# KiCad board OLD_PCB.kicad_pcb (continued)
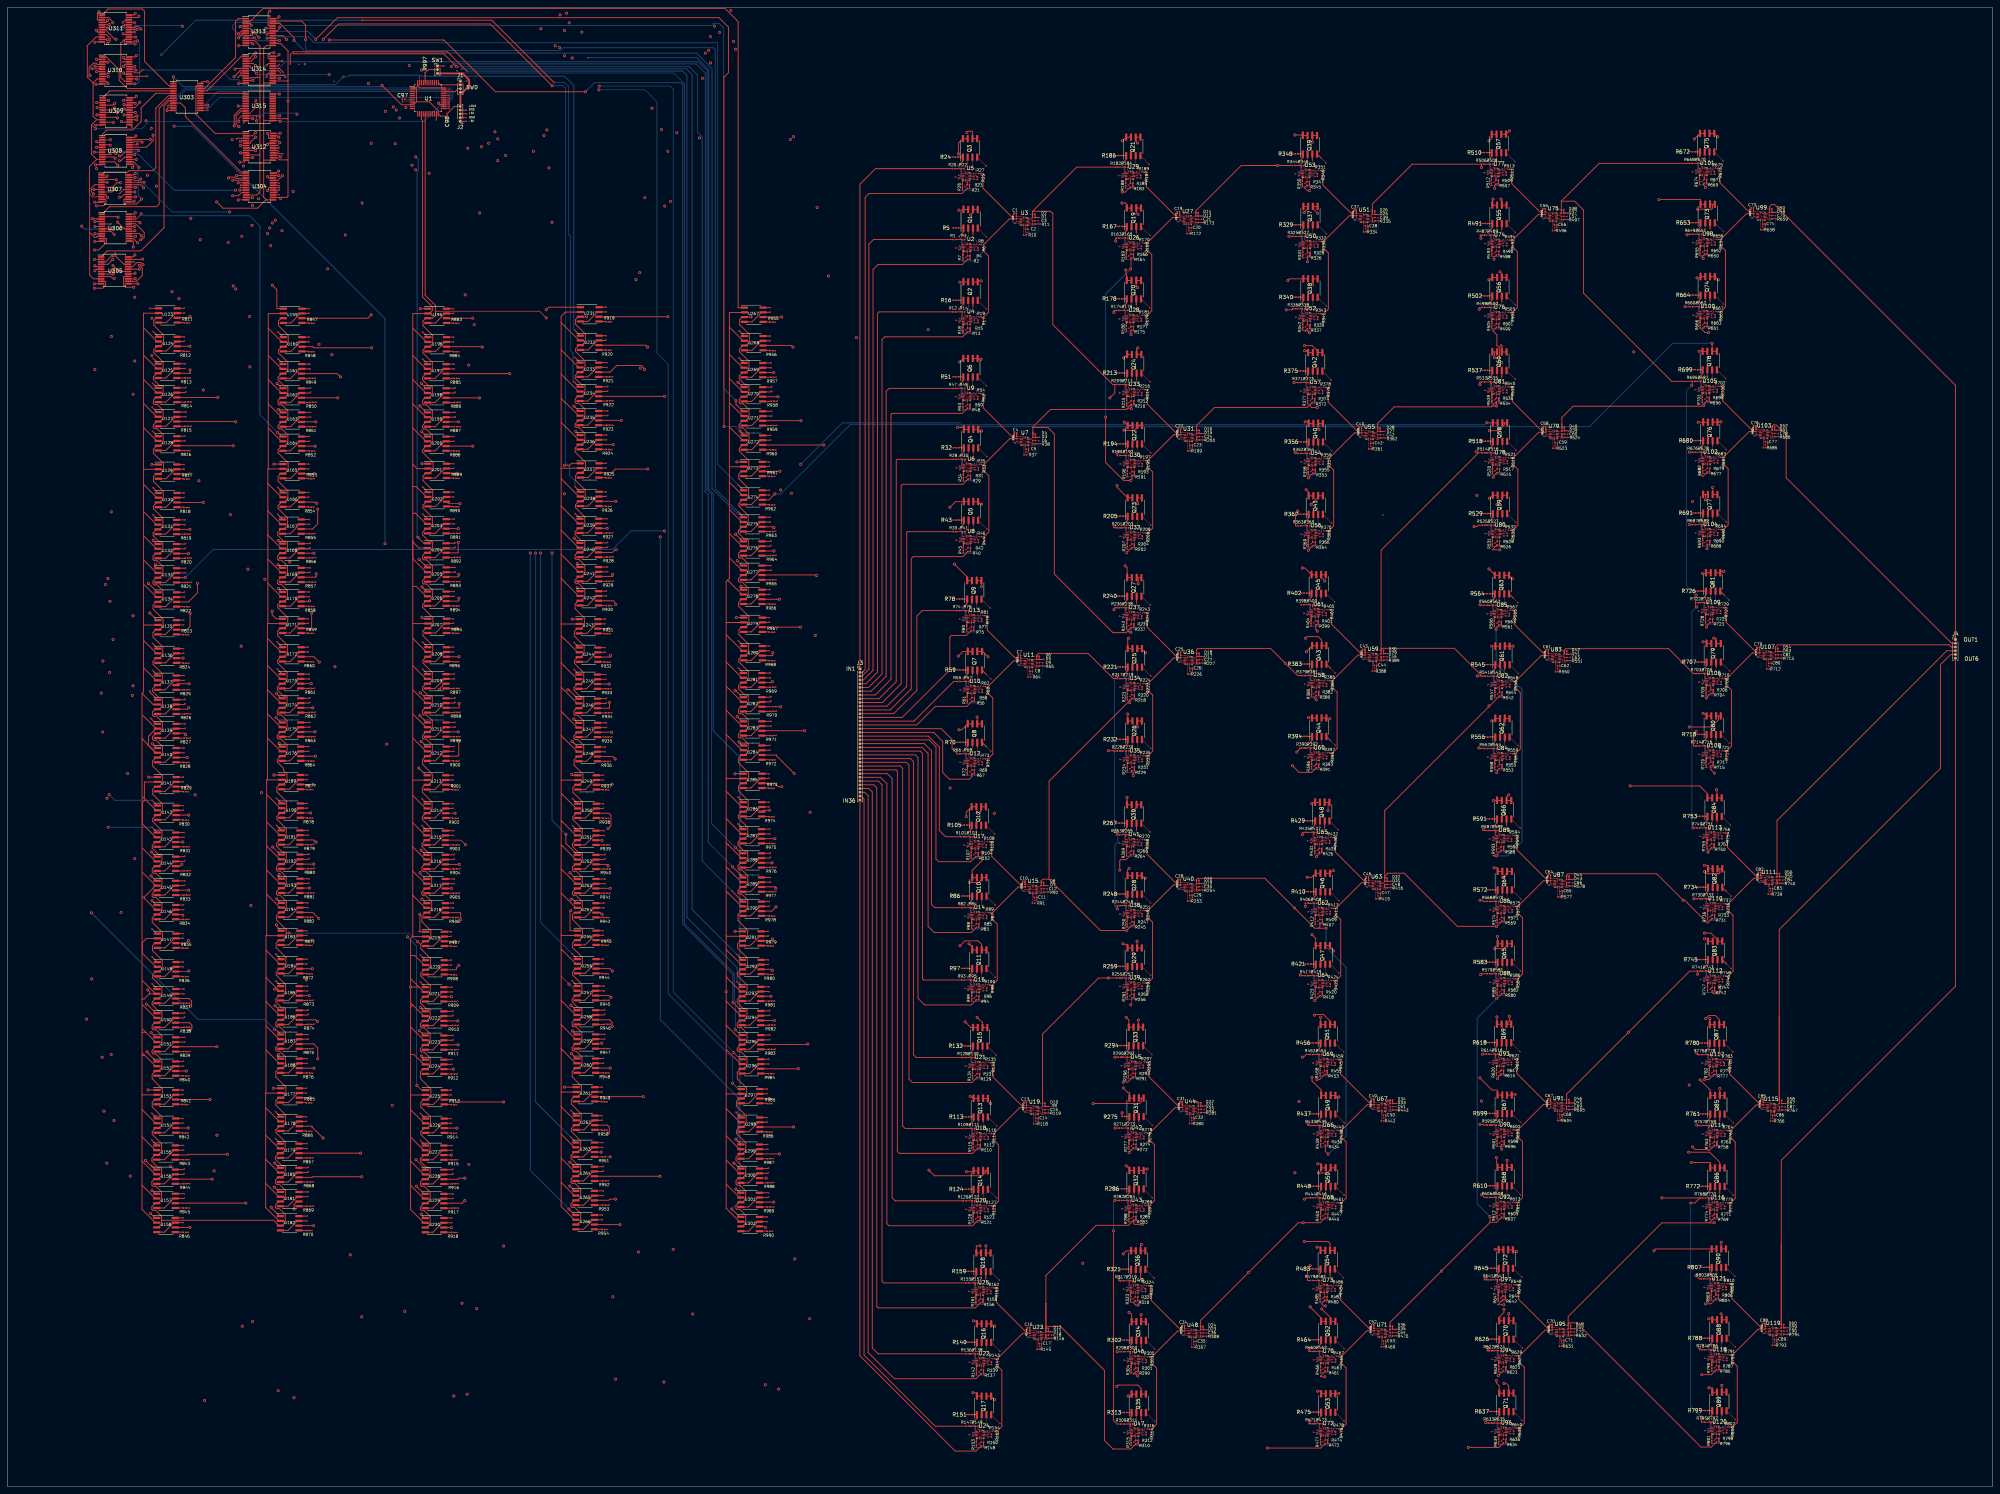
[diagram p0: board, top side]
## Routing (per net, layer and track width the routed paths; a pad name or vN(x,y) marks a point on that pad's centre or on a via; arc(x,y) is an arc through that point) (continued)
/W515: length 288.3
  Top w0.25: v2(211.87,284.65) 201.66,284.65 U271.6 ; Q74.8 452.04,324.09 452.04,324.09 Q74.8 ; Q74.8 452.05,323.1 ; 452.05,323.1 453.3,323.1 Q74.7 ; 452.05,323.1 452.02,323.1 451.74,322.82 v2(451.1,322.82)
  In1.Cu w0.25: v2(211.87,284.65) 219.18,291.97 v2(219.18,323.26)
  In2.Cu w0.25: v2(451.1,322.82) 450.66,323.26 v2(219.18,323.26)
/W516: length 289.6
  Top w0.25: Q74.6 454.58,324.07 454.58,324.07 Q74.6 ; Q74.6 454.59,323.1 455.84,323.1 Q74.5 456.71,322.25 v2(456.79,322.25) ; U272.6 201.64,278.15 v2(217.97,278.15)
  In1.Cu w0.25: v2(226.69,306.83) 226.69,286.87 v2(217.97,278.15)
  In2.Cu w0.25: v2(226.69,306.83) 302.42,306.83 309,313.41 347.14,313.41 355.31,321.58 456.12,321.58 v2(456.79,322.25)
/W521: length 265.6
  Top w0.25: v2(206.21,271.13) 204.93,271.13 204.91,271.12 U273.6 ; 452.61,303.16 453.85,303.16 453.86,303.18 ; 452.61,303.16 452.59,303.18 ; 452.61,303.16 v2(451.68,303.16)
  In2.Cu w0.25: v2(206.21,271.13) 206.36,271.28 229.99,271.28 233.21,274.5 256.34,274.5 264.71,282.87 299.54,282.87 302.77,286.11 434.62,286.11 v2(451.68,303.16)
/W522: length 274.8
  Top w0.25: v2(204.9,265.1) 203.31,263.51 U274.6 ; 456.4,303.18 456.39,303.16 455.15,303.16 455.13,303.18 455.13,305.27 v2(455.1,305.3)
  Bottom w0.25: v2(204.9,265.1) 206.5,265.1 225.01,283.61 253.94,283.61 254.5,283.05 422.35,283.05 444.6,305.3 v2(455.1,305.3)
/W523: length 278.4
  Top w0.25: 452.74,284.24 452.74,285.21 Q76.8 452.76,284.23 ; 452.76,284.23 454,284.23 Q76.7 ; 452.76,284.23 v2(451.42,284.23) ; U275.6 204.37,256.32 v2(204.62,256.06)
  In1.Cu w0.25: v2(449.93,263.05) 449.93,276.34 451.42,277.83 v2(451.42,284.23)
  In2.Cu w0.25: v2(449.93,263.05) 303.18,263.05 302.49,263.74 212.3,263.74 v2(204.62,256.06)
/W524: length 283.3
  Top w0.25: v2(457.49,284.33) 456.65,284.33 Q76.5 456.54,284.23 455.3,284.23 Q76.6 455.28,285.19 455.28,284.24 ; v2(204.65,249.85) 201.45,249.85 201.44,249.87 201.43,249.87
  In1.Cu w0.25: v2(204.65,249.85) 206.43,251.63 v2(206.43,266.16)
  In2.Cu w0.25: v2(457.49,284.33) 454.92,281.76 449.98,281.76 435.44,267.22 341.49,267.22 340.42,266.16 256.35,266.16 256.06,266.45 206.73,266.45 v2(206.43,266.16)
/W525: length 265.5
  Top w0.25: v2(216.04,243.29) 215.88,243.45 201.46,243.45 U277.6 ; v2(453.38,263.47) 453.38,264.88 453.36,264.9 ; 453.36,264.9 452.75,264.9 Q77.8 ; 453.36,264.9 454,264.9 Q77.7 ; Q77.8 452.74,265.89 Q77.8
  In2.Cu w0.25: v2(216.04,243.29) 217.44,244.69 261.37,244.69 261.82,245.14 330.33,245.14 334.5,249.31 440.04,249.31 453.38,262.65 v2(453.38,263.47)
/W526: length 285.1
  Top w0.25: v2(206.1,236.95) 205.35,236.95 205.35,236.95 201.44,236.95 U278.6 ; Q77.5 456.54,264.9 455.29,264.9 Q77.6 ; 455.28,265.87 Q77.6 ; 455.28,265.87 Q77.6 ; 455.28,265.87 v2(455.28,266.82)
  In1.Cu w0.25: v2(206.1,236.95) 209.29,240.14 v2(209.29,265.25)
  In2.Cu w0.25: v2(209.29,265.25) 341.02,265.25 341.2,265.43 453.89,265.43 v2(455.28,266.82)
/W531: length 259.3
  Top w0.25: v2(452.57,243.85) 453.29,243.85 453.48,244.05 453.51,244.05 ; 453.51,244.05 454.76,244.05 Q81.7 ; 453.51,244.05 Q81.8 ; U279.6 v2(211.74,229.52)
  In2.Cu w0.25: v2(452.57,243.85) 452.06,243.33 262.57,243.33 262.12,242.88 225.1,242.88 v2(211.74,229.52)
/W532: length 269.3
  Top w0.25: U280.6 204.33,221.92 v2(204.33,222.71) ; Q81.6 456.05,244.05 457.3,244.05 Q81.5 457.66,244.41 v2(458.24,244.41)
  In2.Cu w0.25: v2(204.33,222.71) 204.33,223.15 224.52,243.34 261.93,243.34 262.38,243.79 395.33,243.79 396.12,244.58 458.08,244.58 v2(458.24,244.41)
/W533: length 260.1
  Top w0.25: 453.65,225.12 453.65,225.61 ; 453.65,225.61 v2(452.71,225.61) ; 453.65,225.61 453.65,226.09 453.65,226.09 Q79.8 453.66,225.11 454.91,225.11 Q79.7 ; v2(204.21,214.95) 204.21,214.72 U281.6
  In2.Cu w0.25: v2(452.71,225.61) 346.64,225.61 346.04,225 219.01,225 208.97,214.95 v2(204.21,214.95)
/W534: length 272.4
  Top w0.25: v2(455.56,226.58) 455.59,226.55 456.19,226.55 456.19,226.07 ; Q79.5 457.45,225.11 456.2,225.11 Q79.6 456.19,226.07 456.19,226.07 ; 456.19,226.07 456.19,225.12 ; 201.43,208.27 201.44,208.27 201.45,208.25 205.15,208.25 205.16,208.26 v2(206.43,208.26)
  In2.Cu w0.25: v2(455.56,226.58) 454.84,227.3 v2(215.66,227.3)
  In3.Cu w0.25: v2(206.43,208.26) 215.66,217.49 v2(215.66,227.3)
/W535: length 286.5
  Top w0.25: v2(452.71,206.49) 452.95,206.49 Q80.8 453.66,205.79 454.9,205.79 Q80.7 ; U283.6 201.46,201.85 v2(212.83,201.85)
  In2.Cu w0.25: v2(452.71,206.49) 452.71,205.49 433.59,186.38 304.54,186.38 300.97,182.8 232.77,182.8 229.74,179.77 214.6,179.77 v2(214.3,180.07)
  In3.Cu w0.25: v2(214.3,180.07) 212.83,181.54 v2(212.83,201.85)
/W536: length 275.7
  Top w0.25: Q80.6 456.2,205.79 456.83,205.79 ; Q80.6 456.18,206.75 Q80.6 ; 456.83,205.79 457.44,205.79 Q80.5 ; 456.83,205.79 456.83,204.79 454.89,202.85 v2(449.04,202.85) ; v2(210.05,190.42) 205.35,195.12 205.35,195.35 201.44,195.35 201.43,195.37
  In2.Cu w0.25: v2(210.05,190.42) 216.93,190.42 226.23,181.12 229.17,181.12 232.33,184.28 293.97,184.28 306.59,196.9 392.15,196.9 392.52,196.54 442.72,196.54 v2(449.04,202.85)
/W541: length 262.1
  Top w0.25: v2(206.74,186.91) 205.7,186.91 204.79,187.82 U285.6 ; Q84.7 455.14,183.9 453.89,183.9 Q84.8 453.88,184.22 453.88,184.22 ; v2(433.26,187.1) 451.82,187.1 453.88,185.04 453.88,184.22 ; 453.88,184.22 453.88,183.91
  In2.Cu w0.25: v2(206.74,186.91) 219.17,186.91 225.86,180.22 229.55,180.22 232.58,183.25 300.74,183.25 304.59,187.1 v2(433.26,187.1)
/W542: length 263.6
  Top w0.25: Q84.6 456.42,185.98 v2(456.3,186.1) ; Q84.6 456.42,184.86 456.42,184.86 456.42,183.91 ; Q84.6 456.43,183.9 457.68,183.9 Q84.5 ; U286.6 201.78,180.6 v2(203.5,180.6)
  In4.Cu w0.25: v2(456.3,186.1) 269.82,186.1 v2(263.5,179.78)
  In5.Cu w0.25: v2(203.5,180.6) 203.69,180.79 262.48,180.79 v2(263.5,179.78)
/W543: length 257.9
  Top w0.25: Q82.7 455.29,164.96 454.04,164.96 Q82.8 454.03,165.9 v2(453.09,165.9) ; U287.6 v2(204.89,173.02)
  In2.Cu w0.25: v2(204.89,173.02) 210.79,167.12 451.87,167.12 v2(453.09,165.9)
/W544: length 260.3
  Top w0.25: Q82.5 457.83,164.96 457.2,164.96 ; v2(453.13,164.21) 453.66,163.67 456.96,163.67 457.2,163.91 457.2,164.96 ; U288.6 201.31,166.57 201.33,166.56 v2(204.15,166.56) ; 457.2,164.96 456.58,164.96 Q82.6
  In2.Cu w0.25: v2(453.13,164.21) 368.69,164.21 367.59,165.31 350.43,165.31 349.48,164.36 298.87,164.36 297.46,165.77 205.58,165.77 204.79,166.56 v2(204.15,166.56)
/W545: length 260.8
  Top w0.25: v2(453.11,146.3) 454.03,146.3 Q83.8 454.04,145.64 455.29,145.64 Q83.7 ; v2(205.12,159.72) 205.12,160.16 201.34,160.16 U289.6
  In2.Cu w0.25: v2(453.11,146.3) 453.01,146.19 347.44,146.19 347.21,146.43 255.91,146.43 242.62,159.72 v2(205.12,159.72)
/W546: length 261.1
  Top w0.25: 456.59,145.64 457.83,145.64 Q83.5 ; 456.59,145.64 456.58,145.65 Q83.6 456.57,146.02 454.79,147.8 v2(453.1,147.8) ; 456.59,145.64 456.55,145.64 ; U290.6 204.07,153.67 v2(205.2,154.8)
  In4.Cu w0.25: v2(205.2,154.8) 209.1,150.9 345.81,150.9 348.91,147.8 v2(453.1,147.8)
/W551: length 266.4
  Top w0.25: 454.5,124.32 454.5,124.32 Q87.8 ; 454.5,124.32 v2(454.5,124.96) ; 454.5,124.32 Q87.8 ; Q87.8 454.51,123.34 455.75,123.34 Q87.7 ; U291.6 204.23,145.72 v2(204.23,146.2)
  In2.Cu w0.25: v2(454.5,124.96) 436.65,142.81 393.01,142.81 392.04,143.78 256,143.78 253.58,146.2 v2(204.23,146.2)
/W552: length 266.9
  Top w0.25: Q87.6 457.04,124.3 ; Q87.6 457.05,123.34 458.29,123.34 Q87.5 ; Q87.6 457.04,124.3 457.04,124.3 ; 457.04,124.3 457.04,124.78 456.02,125.79 454.24,125.79 v2(453.42,124.97) ; v2(204.21,137.83) 204.21,138.12 U292.6
  In2.Cu w0.25: v2(204.21,137.83) 244.86,137.83 259.02,123.67 452.12,123.67 v2(453.42,124.97)
/W553: length 267.6
  Top w0.25: Q85.8 454.65,105.38 ; Q85.8 454.65,105.38 ; Q85.8 454.66,104.4 455.9,104.4 Q85.7 ; 454.65,105.38 454.65,105.87 v2(451.93,108.58) ; U293.6 v2(203.87,130.92)
  In2.Cu w0.25: v2(203.87,130.92) 251.13,130.92 259.27,122.78 437.73,122.78 v2(451.93,108.58)
/W554: length 267.7
  Top w0.25: Q85.6 457.19,105.36 ; Q85.6 457.2,104.4 458.44,104.4 Q85.5 ; Q85.6 457.19,105.36 ; 457.19,105.36 v2(457.19,106.31) ; v2(204.83,124.46) 201.12,124.46 201.11,124.47 U294.6
  In2.Cu w0.25: v2(204.83,124.46) 222.06,107.22 298.14,107.22 299.04,106.31 v2(457.19,106.31)
/W555: length 282.3
  Top w0.25: U295.6 201.14,118.06 213.57,118.06 v2(213.69,118.17) ; Q86.8 454.65,85.08 455.9,85.08 Q86.7 ; Q86.8 454.64,86.06 ; Q86.8 454.64,86.06 ; 454.64,86.06 454.64,86.54 v2(449.57,86.54)
  In2.Cu w0.25: v2(213.69,118.17) 213.82,118.3 325.1,118.3 328,115.4 349.37,115.4 357.55,107.22 v2(449.02,107.22)
  In3.Cu w0.25: v2(449.02,107.22) 449.02,90.58 449.57,90.02 v2(449.57,86.54)
/W556: length 270.2
  Top w0.25: v2(211.14,111.63) 211.07,111.56 201.12,111.56 U296.6 ; Q86.6 457.19,85.08 458.44,85.08 Q86.5 ; Q86.6 457.18,86.04 ; Q86.6 457.18,86.04 ; 457.18,86.04 457.18,86.58 454.47,89.29 v2(448.83,89.29)
  In2.Cu w0.25: v2(448.83,89.29) 432.42,105.7 257.8,105.7 257.71,105.79 216.98,105.79 v2(211.14,111.63)
/W561: length 295.4
  Top w0.25: Q90.7 456.29,63.45 455.03,63.45 ; 455.03,63.45 440.1,63.45 v2(439.62,62.97) ; 455.03,63.45 Q90.8 ; U297.6 v2(203.4,103.62)
  In1.Cu w0.25: v2(210.19,60.77) 210.19,93.66 203.4,100.45 v2(203.4,103.62)
  In2.Cu w0.25: v2(210.19,60.77) 437.41,60.77 v2(439.62,62.97)
/W562: length 272.5
  Top w0.25: U298.6 v2(209.88,96.02) ; v2(457.57,65.23) Q90.6 457.57,63.45 458.83,63.45 Q90.5
  In2.Cu w0.25: v2(209.88,96.02) 218.65,87.25 254.89,87.25 255.16,86.98 394.41,86.98 396.32,85.06 437.74,85.06 v2(457.57,65.23)
/W563: length 295.5
  Top w0.25: v2(454.22,44.81) 455.18,44.81 455.18,44.67 ; Q88.8 455.19,44.52 456.44,44.52 Q88.7 ; Q88.8 455.18,44.67 ; Q88.8 455.18,44.67 ; U299.6 v2(206.11,88.81)
  In2.Cu w0.25: v2(214.19,44.81) 214.35,44.98 298.68,44.98 298.84,44.81 v2(454.22,44.81)
  In3.Cu w0.25: v2(214.19,44.81) 214.19,80.74 v2(206.11,88.81)
/W564: length 275.7
  Top w0.15: U300.6 202.58,82.37 v2(202.6,82.35)
  Top w0.25: 457.72,45.48 457.72,45.95 v2(457.55,46.12) ; 457.72,45.48 Q88.6 ; 457.72,45.48 Q88.6 ; Q88.6 457.73,44.52 458.98,44.52 Q88.5
  In2.Cu w0.25: v2(202.6,82.35) 421.32,82.35 v2(457.55,46.12)
/W565: length 306.8
  Top w0.25: Q89.8 455.17,25.78 ; Q89.8 455.19,25.19 456.43,25.19 Q89.7 ; Q89.8 455.17,25.78 ; 455.17,25.78 455.17,26.37 v2(454.27,26.37) ; U301.6 200.8,75.95 v2(204.59,75.95)
  In2.Cu w0.25: v2(454.27,26.37) 454.09,26.18 349.27,26.18 349.09,26 v2(205.89,26)
  In3.Cu w0.25: v2(205.89,26) 205.89,74.65 v2(204.59,75.95)
/W566: length 303.6
  Top w0.15: v2(202.34,69.19) 202.07,69.47 U302.6
  Top w0.25: 457.71,26.11 Q89.6 ; 457.71,26.11 v2(457.71,27.01) ; 457.71,26.11 Q89.6 ; Q89.6 457.73,25.19 458.97,25.19 Q89.5
  In1.Cu w0.25: v2(202.34,69.19) v2(202.34,27.18)
  In2.Cu w0.25: v2(202.34,27.18) 202.62,27.45 296.46,27.45 297.11,26.8 399.86,26.8 400.15,27.09 457.63,27.09 v2(457.71,27.01)
Net-(C1-Pad1): length 3
  Top w0.1: R9.2 270.94,339.17 U3.14
  Top w0.25: C1.1 269.36,339.21 R9.2
Net-(C2-Pad2): length 9.4
  Top w0.1: U3.7 271.7,335.92 271.86,335.76 271.85,335.75 v1(271.85,334.97) ; C3.1 v1(275.26,338.04)
  Top w0.25: 271.78,335.84 C2.2
  Bottom w0.1: v1(275.26,338.04) 275.26,335.27 274.95,334.97 v1(271.85,334.97)
Net-(C4-Pad1): length 3.4
  Top w0.1: R36.2 271.04,280.47 U7.14
  Top w0.25: 269.46,280.94 C4.1 269.46,280.94 ; 269.46,280.94 269.46,280.51 R36.2
Net-(C5-Pad2): length 9.2
  Top w0.1: C6.1 v1(275.36,279.34) ; U7.7 271.8,277.22 271.96,277.06 271.95,277.05 v1(271.95,276.27)
  Bottom w0.1: v1(275.36,279.34) 275.36,276.57 275.05,276.27 v1(271.95,276.27)
Net-(C7-Pad1): length 3
  Top w0.1: R63.2 272.08,221.14 U11.14
  Top w0.25: 270.52,221.16 R63.2 270.52,221.16 ; 270.52,221.16 270.5,221.17 270.5,222.04
Net-(C8-Pad2): length 9.2
  Top w0.1: v1(273,216.93) 273,217.71 C8.2 272.84,217.89 U11.7 ; 275.48,220.01 v1(276.4,220.01)
  Bottom w0.1: v1(276.4,220.01) 276.4,217.24 276.1,216.93 v1(273,216.93)
Net-(C10-Pad1): length 3.4
  Top w0.1: U15.14 273.27,160.75 271.73,160.75
  Top w0.25: 271.69,161.22 271.69,160.79 271.73,160.75 ; 271.69,161.22 271.69,161.65 ; 271.69,161.22 271.69,161.22 C10.1
Net-(C11-Pad2): length 9.2
  Top w0.1: v1(274.19,156.54) 274.19,157.32 274.2,157.33 274.03,157.5 U15.7 ; C12.1 v1(277.59,159.62)
  Bottom w0.1: v1(274.19,156.54) 277.29,156.54 277.59,156.85 v1(277.59,159.62)
Net-(C13-Pad1): length 3.4
  Top w0.1: R117.2 273.64,101.77 U19.14
  Top w0.25: 272.06,102.24 272.06,101.81 R117.2 ; 272.06,102.24 C13.1 272.06,102.24
Net-(C14-Pad2): length 9.2
  Top w0.1: C15.1 v1(277.96,100.64) ; v1(274.55,97.57) 274.55,98.35 274.56,98.36 274.4,98.52 U19.7
  Bottom w0.1: v1(274.55,97.57) 277.65,97.57 277.96,97.87 v1(277.96,100.64)
Net-(C16-Pad1): length 3.4
  Top w0.1: R144.2 274.52,41.59 U23.14
  Top w0.25: C16.1 272.94,42.05 272.94,42.05 ; 272.96,41.6 R144.2 272.96,41.6 ; 272.96,41.6 272.94,41.62 272.94,42.05 ; 272.94,42.49 272.94,42.05
Net-(C17-Pad2): length 9.2
  Top w0.1: C18.1 v1(278.84,40.45) ; U23.7 275.28,38.33 275.45,38.17 C17.2 275.44,38.16 v1(275.44,37.38)
  Bottom w0.1: v1(275.44,37.38) 278.54,37.38 278.84,37.68 v1(278.84,40.45)
Net-(C19-Pad1): length 3
  Top w0.1: U27.14 314.54,339.57 R171.2
  Top w0.25: C19.1 312.96,339.61 R171.2
Net-(C20-Pad2): length 9.2
  Top w0.1: C21.1 v1(318.86,338.44) ; v1(315.45,335.37) 315.45,336.15 315.46,336.16 315.3,336.32 U27.7
  Top w0.25: 315.46,336.15 C20.2
  Bottom w0.1: v1(318.86,338.44) 318.86,335.67 318.55,335.37 v1(315.45,335.37)
Net-(C22-Pad1): length 3.4
  Top w0.1: 313.24,281.51 314.79,281.51 U31.14
  Top w0.25: 313.22,281.53 313.21,281.55 313.21,281.98 ; 313.22,281.53 R198.2 ; 313.22,281.53 313.24,281.51 ; 313.21,281.98 C22.1 313.21,281.98
Net-(C23-Pad2): length 9.2
  Top w0.1: C24.1 v1(319.11,280.38) ; v1(315.71,277.3) 315.71,278.08 C23.2 315.55,278.26 U31.7
  Bottom w0.1: v1(319.11,280.38) 319.11,277.61 318.8,277.3 v1(315.71,277.3)
Net-(C25-Pad1): length 3.4
  Top w0.1: U36.14 314.79,221.91 313.24,221.91
  Top w0.25: 313.22,221.93 313.21,221.95 313.21,222.38 ; 313.22,221.93 R225.2 ; 313.22,221.93 313.24,221.91 ; 313.21,222.38 C25.1 313.21,222.38
Net-(C26-Pad2): length 9.2
  Top w0.1: U36.7 315.55,218.66 C26.2 315.71,218.48 v1(315.71,217.7) ; C27.1 v1(319.11,220.78)
  Bottom w0.1: v1(319.11,220.78) 319.11,218.01 318.8,217.7 v1(315.71,217.7)
Net-(C28-Pad1): length 3.4
  Top w0.1: U40.14 314.75,161.29 313.21,161.29
  Top w0.25: 313.17,161.75 C28.1 313.17,161.75 313.17,161.75 ; 313.17,161.75 313.17,161.32 313.19,161.3 ; 313.19,161.3 313.21,161.29 ; 313.19,161.3 R252.2
Net-(C29-Pad2): length 9.2
  Top w0.1: v1(315.67,157.08) 315.67,157.86 C29.2 315.68,157.87 315.51,158.03 U40.7 ; C30.1 v1(319.07,160.15)
  Bottom w0.1: v1(315.67,157.08) 318.77,157.08 319.07,157.38 v1(319.07,160.15)
Net-(C31-Pad1): length 3.4
  Top w0.1: U44.14 315.24,101.87 R279.2
  Top w0.25: R279.2 313.66,101.91 313.66,102.34 ; 313.66,102.34 C31.1 313.66,102.34
Net-(C32-Pad2): length 9.2
  Top w0.1: C33.1 v1(319.56,100.74) ; U44.7 316,98.62 316.16,98.46 316.15,98.45 v1(316.15,97.67)
  Bottom w0.1: v1(316.15,97.67) 319.25,97.67 319.56,97.97 v1(319.56,100.74)
Net-(C34-Pad1): length 3.4
  Top w0.1: 314.29,42.15 315.84,42.15 U48.14
  Top w0.25: 314.29,42.15 314.26,42.18 314.26,42.61 ; 314.26,42.61 C34.1 314.26,42.61
Net-(C35-Pad2): length 9.4
  Top w0.1: U48.7 316.6,38.89 C35.2 316.76,38.72 v1(316.76,37.94) ; C36.1 v1(320.16,41.01)
  Top w0.25: 316.68,38.81 C35.2
  Bottom w0.1: v1(316.76,37.94) 319.85,37.94 320.16,38.25 v1(320.16,41.01)
Net-(C37-Pad1): length 3.4
  Top w0.1: U51.14 361.69,340.01 R333.2
  Top w0.25: 360.11,340.48 C37.1 360.11,340.48 ; 360.11,340.48 360.11,340.05 R333.2
Net-(C38-Pad2): length 9.4
  Top w0.1: U51.7 362.45,336.76 C38.2 362.61,336.58 v1(362.61,335.8) ; C39.1 v1(366.01,338.88)
  Top w0.25: 362.53,336.67 C38.2
  Bottom w0.1: v1(362.61,335.8) 365.7,335.8 366.01,336.11 v1(366.01,338.88)
Net-(C40-Pad1): length 3.4
  Top w0.1: R360.2 363.1,282.05 U55.14
  Top w0.25: 361.52,282.52 361.52,282.08 R360.2 ; 361.52,282.52 C40.1 361.52,282.52
Net-(C41-Pad2): length 7.6
  Top w0.1: U55.7 363.86,278.8 C41.2 364.02,278.62 v1(364.02,277.84) ; C42.1 v1(367.42,280.92)
  Top w0.25: C41.2 364.02,278.62
  In3.Cu w0.25: v1(367.42,280.92) 364.35,277.84 v1(364.02,277.84)
Net-(C43-Pad1): length 3.4
  Top w0.1: U59.14 364.03,222.71 362.48,222.71
  Top w0.25: 362.46,222.73 R387.2 ; 362.46,222.73 362.48,222.71 ; 362.46,222.73 362.44,222.74 362.44,223.18 ; 362.44,223.18 C43.1 362.44,223.18
Net-(C44-Pad2): length 9.2
  Top w0.1: C45.1 v1(368.35,221.58) ; U59.7 364.79,219.46 C44.2 364.94,219.28 v1(364.94,218.5)
  Top w0.25: 364.95,219.28 C44.2
  Bottom w0.1: v1(364.94,218.5) 368.04,218.5 368.35,218.81 v1(368.35,221.58)
Net-(C46-Pad1): length 3.4
  Top w0.1: 363.44,161.91 364.99,161.91 U63.14
  Top w0.25: 363.41,162.38 C46.1 363.41,162.38 ; 363.41,162.38 363.41,161.95 363.42,161.93 ; 363.42,161.93 363.44,161.91 ; 363.42,161.93 R414.2
Net-(C47-Pad2): length 9.2
  Top w0.1: v1(365.91,157.7) 365.91,158.48 C47.2 365.75,158.66 U63.7 ; C48.1 v1(369.31,160.78)
  Bottom w0.1: v1(365.91,157.7) 369,157.7 369.31,158.01 v1(369.31,160.78)
Net-(C49-Pad1): length 3.4
  Top w0.1: R441.2 366.44,102.57 U67.14
  Top w0.25: R441.2 364.86,102.61 364.86,103.04 ; 364.86,103.04 C49.1 364.86,103.04
Net-(C50-Pad2): length 9.2
  Top w0.1: v1(367.35,98.37) 367.35,99.15 367.36,99.16 367.2,99.32 U67.7 ; C51.1 v1(370.76,101.44)
  Bottom w0.1: v1(370.76,101.44) 370.76,98.67 370.45,98.37 v1(367.35,98.37)
Net-(C52-Pad1): length 3
  Top w0.1: R468.2 366.42,42.24 366.78,41.88
  Top w0.25: R468.2 364.84,42.28 364.84,43.14
Net-(C53-Pad2): length 9.2
  Top w0.1: C54.1 v1(370.74,41.11) ; 367.19,39.98 367.19,38.99 367.35,38.82 C53.2 367.34,38.81 v1(367.34,38.04)
  Bottom w0.1: v1(367.34,38.04) 370.44,38.04 370.74,38.34 v1(370.74,41.11)
Net-(C55-Pad1): length 3
  Top w0.1: U75.14 412.14,340.36 R495.2
  Top w0.25: R495.2 410.56,340.39 C55.1
Net-(C56-Pad2): length 9.4
  Top w0.1: U75.7 412.9,337.1 C56.2 413.06,336.93 v1(413.06,336.15) ; C57.1 v1(416.46,339.22)
  Top w0.25: 412.99,337.02 C56.2
  Bottom w0.1: v1(413.06,336.15) 416.16,336.15 416.46,336.45 v1(416.46,339.22)
Net-(C58-Pad1): length 3.4
  Top w0.1: U79.14 412.29,282.21 410.74,282.21
  Top w0.25: 410.72,282.23 R522.2 ; 410.72,282.23 410.74,282.21 ; 410.72,282.23 410.71,282.25 410.71,282.68 ; 410.71,282.68 C58.1 410.71,282.68
Net-(C59-Pad2): length 9.2
  Top w0.1: C60.1 v1(416.61,281.08) ; v1(413.21,278) 413.21,278.78 C59.2 413.05,278.96 U79.7
  Bottom w0.1: v1(416.61,281.08) 416.61,278.31 416.3,278 v1(413.21,278)
Net-(C61-Pad1): length 3
  Top w0.1: U83.14 412.94,222.56 R549.2
  Top w0.25: C61.1 411.36,222.59 R549.2
Net-(C62-Pad2): length 9.2
  Top w0.1: U83.7 413.7,219.3 413.87,219.14 413.86,219.13 v1(413.86,218.35) ; C63.1 v1(417.26,221.42)
  Bottom w0.1: v1(413.86,218.35) 416.96,218.35 417.26,218.66 v1(417.26,221.42)
Net-(C64-Pad1): length 3.4
  Top w0.1: U87.14 413.55,162.41 412,162.41
  Top w0.25: 411.97,162.88 411.97,162.45 411.98,162.43 ; 411.97,162.88 C64.1 411.97,162.88 ; 411.98,162.43 R576.2 ; 411.98,162.43 412,162.41
Net-(C65-Pad2): length 9.2
  Top w0.1: C66.1 v1(417.87,161.28) ; v1(414.47,158.2) 414.47,158.98 C65.2 414.31,159.16 U87.7
  Bottom w0.1: v1(417.87,161.28) 417.87,158.51 417.56,158.2 v1(414.47,158.2)
Net-(C67-Pad1): length 3.4
  Top w0.1: U91.14 413.52,102.69 R603.2
  Top w0.25: 411.96,102.7 R603.2 411.96,102.7 ; 411.96,102.7 411.94,102.72 411.94,103.15 ; 411.94,103.15 411.94,103.59 ; 411.94,103.15 411.94,103.15 C67.1
Net-(C68-Pad2): length 9.2
  Top w0.1: C69.1 v1(417.84,101.55) ; U91.7 414.28,99.43 414.45,99.27 C68.2 414.44,99.26 v1(414.44,98.48)
  Bottom w0.1: v1(417.84,101.55) 417.84,98.78 417.54,98.48 v1(414.44,98.48)
Net-(C70-Pad1): length 3.4
  Top w0.1: U95.14 413.99,42.41 412.44,42.41
  Top w0.25: 412.42,42.43 412.44,42.41 ; 412.42,42.43 R630.2 ; 412.42,42.43 412.41,42.45 412.41,42.88 ; 412.41,42.88 C70.1 412.41,42.88
Net-(C71-Pad2): length 9.2
  Top w0.1: U95.7 414.75,39.16 C71.2 414.91,38.98 v1(414.91,38.2) ; C72.1 v1(418.31,41.28)
  Bottom w0.1: v1(414.91,38.2) 418,38.2 418.31,38.51 v1(418.31,41.28)
Net-(C73-Pad1): length 3
  Top w0.1: U99.14 467.74,340.57 R657.2
  Top w0.25: R657.2 466.16,340.61 C73.1
Net-(C74-Pad2): length 9.4
  Top w0.1: U99.7 468.5,337.32 468.66,337.16 468.65,337.15 v1(468.65,336.37) ; C75.1 v1(472.06,339.44)
  Top w0.25: 468.58,337.24 C74.2
  Bottom w0.1: v1(468.65,336.37) 471.75,336.37 472.06,336.67 v1(472.06,339.44)
Net-(C76-Pad1): length 3.4
  Top w0.1: R684.2 468.44,282.37 U103.14
  Top w0.25: 466.86,282.84 C76.1 466.86,282.84 ; 466.86,282.84 466.86,282.41 R684.2
Net-(C77-Pad2): length 9.2
  Top w0.1: v1(469.35,278.17) 469.35,278.95 469.36,278.96 469.2,279.12 U103.7 ; C78.1 v1(472.76,281.24)
  Bottom w0.1: v1(469.35,278.17) 472.45,278.17 472.76,278.47 v1(472.76,281.24)
Net-(C79-Pad1): length 3
  Top w0.1: U107.14 469.34,223.26 467.8,223.26
  Top w0.25: R711.2 467.8,223.26 467.76,223.29 C79.1
Net-(C80-Pad2): length 9.2
  Top w0.1: C81.1 v1(473.66,222.12) ; U107.7 470.1,220 C80.2 470.26,219.83 v1(470.26,219.05)
  Bottom w0.1: v1(473.66,222.12) 473.66,219.36 473.36,219.05 v1(470.26,219.05)
Net-(C82-Pad1): length 3.4
  Top w0.1: U111.14 469.73,163.11 468.18,163.11
  Top w0.25: 468.14,163.58 C82.1 468.14,163.58 ; 468.14,163.58 468.14,163.14 468.16,163.13 ; 468.16,163.13 468.18,163.11 ; 468.16,163.13 R738.2
Net-(C83-Pad2): length 9.2
  Top w0.1: v1(470.64,158.9) 470.64,159.68 C83.2 470.49,159.86 U111.7 ; C84.1 v1(474.05,161.98)
  Top w0.25: 470.65,159.68 C83.2
  Bottom w0.1: v1(474.05,161.98) 474.05,159.21 473.74,158.9 v1(470.64,158.9)
Net-(C85-Pad1): length 3.4
  Top w0.1: U115.14 470.34,102.55 468.79,102.55
  Top w0.25: 468.76,103.01 C85.1 468.76,103.01 ; 468.76,103.01 468.76,102.58 468.79,102.55
Net-(C86-Pad2): length 9.4
  Top w0.1: v1(471.26,98.34) 471.26,99.12 C86.2 471.1,99.29 U115.7 ; C87.1 v1(474.66,101.41)
  Top w0.25: 471.18,99.21 C86.2
  Bottom w0.1: v1(471.26,98.34) 474.35,98.34 474.66,98.65 v1(474.66,101.41)
Net-(C88-Pad1): length 3.4
  Top w0.1: R792.2 470.87,42.66 U119.14
  Top w0.25: 469.29,43.13 469.29,42.7 R792.2 ; 469.29,43.13 469.29,43.56 ; 469.29,43.13 469.29,43.13 C88.1
Net-(C89-Pad2): length 9.2
  Top w0.1: v1(471.79,38.46) 471.79,39.23 471.8,39.24 471.63,39.41 U119.7 ; C90.1 v1(475.19,41.53)
  Bottom w0.1: v1(471.79,38.46) 474.89,38.46 475.19,38.76 v1(475.19,41.53)
Net-(Q1A-G1): length 4.8
  Top w0.1: Q1.2 256.51,333.98 R3.2 255.56,332.21 255.96,331.82
Net-(Q1A-S1): length 9.4
  Top w0.1: U2.4 255.17,330.5 254.52,330.5 254.34,330.32 v1(254.1,330.32)
  Top w0.25: v1(254,333.83) 255.24,335.07 Q1.1 255.21,336.13 R5.2
  Bottom w0.25: v1(254.1,330.32) 254.7,330.92 254.7,333.12 v1(254,333.83)
Net-(Q1B-G2): length 15.7
  Top w0.1: Q1.4 259.08,336.07 261.4,333.74 v1(261.4,333.73) ; 256.36,329.92 256.37,329.9 R4.2 255.89,328.23 v1(255.8,328.23)
  Top w0.25: 256.27,328.6 R4.2 ; Q1.4 259.08,336.07
  In1.Cu w0.1: v1(261.4,333.73) 261.4,329.73 259.9,328.23 v1(255.8,328.23)
Net-(Q1B-S2): length 9.1
  Top w0.1: 259.13,330.81 258.64,331.29 258.39,331.29 ; Q1.3 257.78,333.61 258.72,332.67 258.72,331.63 258.39,331.29 ; 258.39,331.29 257.13,331.29 U2.11
  Top w0.25: Q1.3 257.78,334.56
Net-(Q2A-G1): length 4.8
  Top w0.1: U4.14 255.56,312.89 R14.2 256.51,314.65 256.51,316.76
  Top w0.25: Q2.2 256.51,316.76
Net-(Q2A-S1): length 9.4
  Top w0.1: U4.4 255.17,311.18 254.52,311.18 254.33,310.99 v1(254.09,310.99)
  Top w0.25: v1(253.99,314.5) 255.24,315.75 Q2.1 255.2,316.8 R16.2
  Bottom w0.25: v1(253.99,314.5) 254.7,313.8 254.7,311.6 v1(254.09,310.99)
Net-(Q2B-G2): length 15.7
  Top w0.1: 259.05,316.76 259.07,316.74 261.39,314.42 v1(261.39,314.4) ; U4.7 256.37,310.58 R15.2 255.89,308.9 v1(255.79,308.9)
  Top w0.25: 256.26,309.28 R15.2 ; Q2.4 259.07,316.74
  In1.Cu w0.1: v1(261.39,314.4) 261.39,310.4 259.89,308.9 v1(255.79,308.9)
Net-(Q2B-S2): length 9.1
  Top w0.1: 258.38,311.97 257.13,311.97 U4.11 ; 258.38,311.97 258.72,312.3 258.72,313.35 257.78,314.29 Q2.3 ; 258.38,311.97 258.64,311.97 R17.2
  Top w0.25: Q2.3 257.78,315.23 257.78,315.23
Net-(Q3A-G1): length 4.8
  Top w0.1: 255.81,350.75 255.41,351.15 R22.2 256.36,352.91 256.36,355.03
Net-(Q3A-S1): length 9.4
  Top w0.1: v1(253.95,349.25) 254.19,349.25 254.38,349.44 255.03,349.44 U5.4
  Top w0.25: v1(253.85,352.76) 255.09,354.01 Q3.1 255.06,355.06 R24.2
  Bottom w0.25: v1(253.85,352.76) 254.55,352.06 254.55,349.86 v1(253.95,349.25)
Net-(Q3B-G2): length 16.1
  Top w0.1: Q3.4 261.25,352.68 v1(261.25,352.66) ; 256.21,348.85 256.22,348.84 256.22,347.64 255.74,347.16 v1(255.65,347.16)
  Top w0.25: 256.22,348.24 256.22,348.24 R23.2
  In1.Cu w0.1: v1(255.65,347.16) 259.75,347.16 261.25,348.66 v1(261.25,352.66)
Net-(Q3B-S2): length 7.9
  Top w0.1: Q3.3 257.63,352.55 258.57,351.61 258.57,350.57 258.24,350.23 ; U5.11 256.98,350.23 258.24,350.23 ; 258.24,350.23 258.5,350.23 258.98,349.74
  Top w0.25: 258.74,349.99 R25.2
Net-(Q4A-G1): length 5.2
  Top w0.1: Q4.2 256.61,275.28 255.66,274.33 255.66,273.51 256.06,273.12
  Top w0.25: 255.66,273.92 R30.2